# Altium PCB PCB_3U_DDS.PcbDoc (part 4 of 12) (continued)
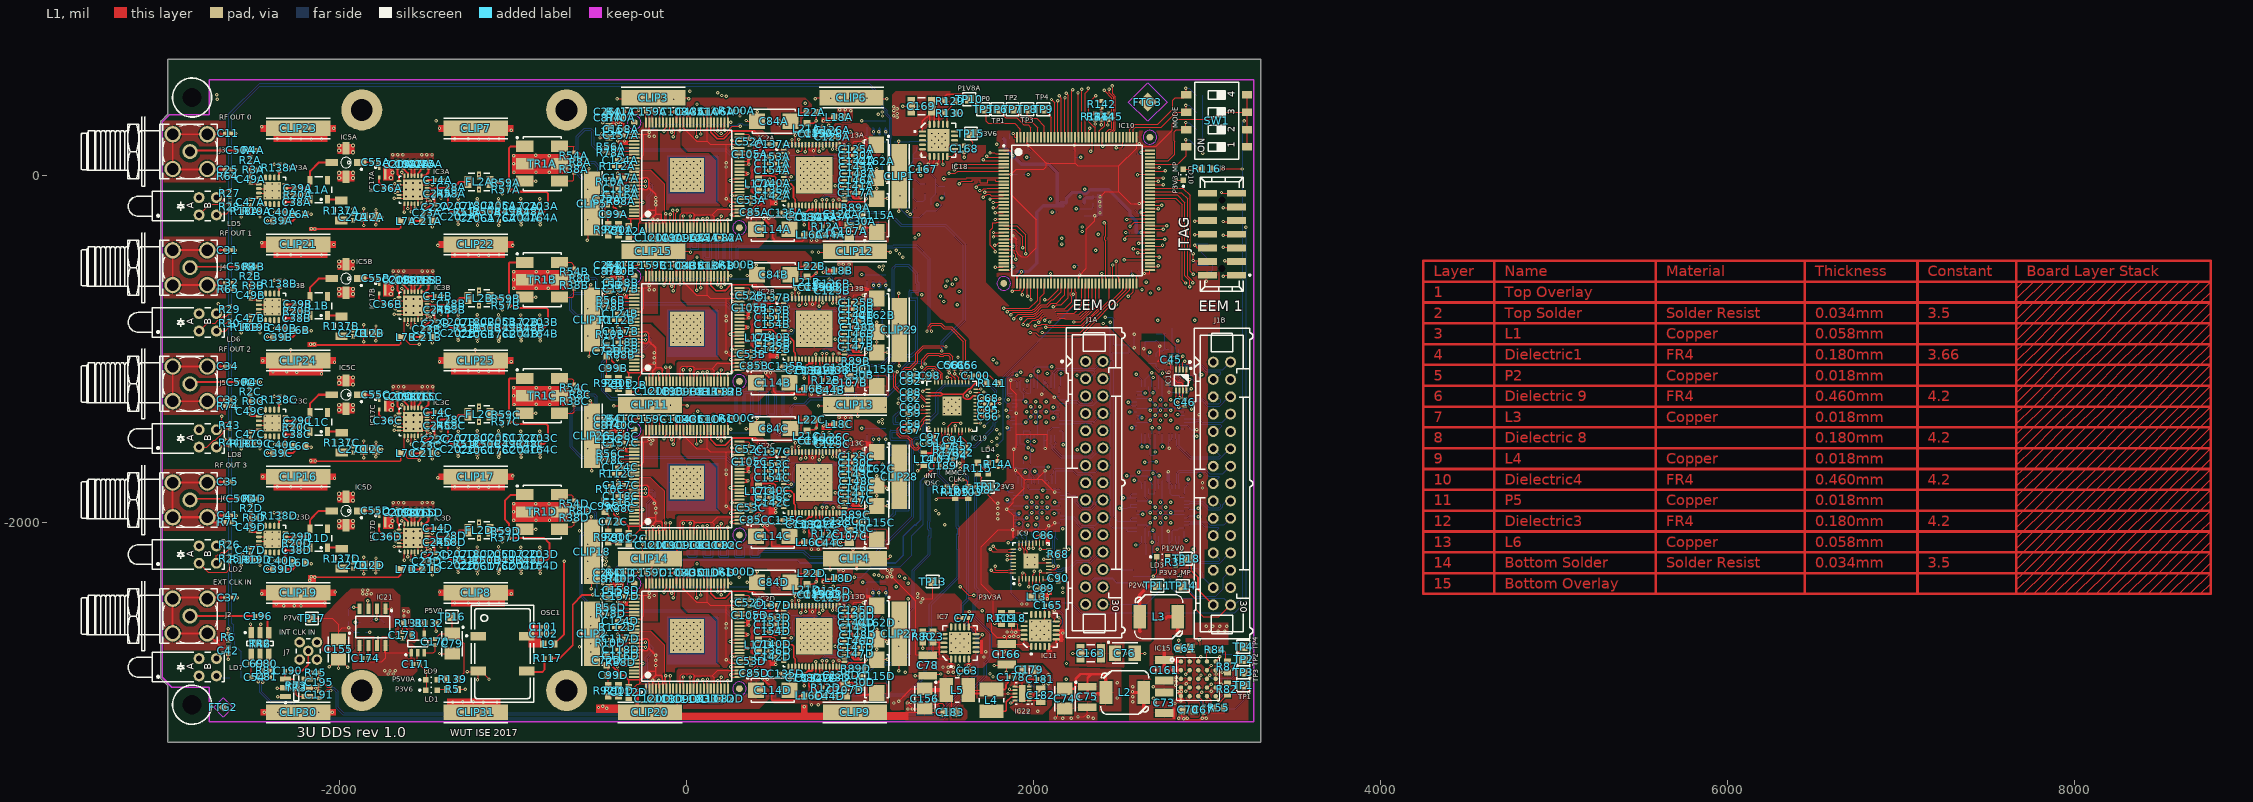
[diagram p0: L1 view]
## Nets (pads, with @x,y where several pads share a name; then routed paths per layer and width w, separated by ;. In a path a pad name is that pad's centre, name@x,y a point inside that pad or via, vN(x,y) a via of type N, cw(c..) or ccw(c..) an arc to the next point about the centre after c; other vN are vias at no path point) (continued)
  L6 w6: v1(780.07,-1028.09) 786.91,-1021.25 786.91,-1003.94 796.76,-994.09 913.52,-994.09 996.03,-1076.6 996.03,-1077.62 1007.06,-1088.65 1117.47,-1088.65 1183.51,-1022.61 1183.51,-534.61 1200.03,-518.1 1203.54,-514.58 1279.58,-514.58 1330.9,-565.9 1330.9,-617.08 1333.9,-617.08 cw(c1333.9,-623.08) 1339.9,-623.08 1339.9,-668.45 cw(c1333.9,-668.45) 1333.9,-674.45 1292.98,-674.45 1292.98,-707.82 1324.9,-707.82 cw(c1324.9,-713.82) 1330.9,-713.82 1330.9,-1013.78 1299.21,-1045.46 1235.63,-1045.46 1161.42,-1119.68 1161.42,-1151.57 1171.26,-1161.42 1181.1,-1161.42 1193.86,-1148.66 1193.86,-1141.61 v1(1186.08,-1133.83)
DDS_CLKA2_N: C60.1 IC13C.28 R12C.2 | length 2377.8
  L1 w6: v1@802.76,-1919.24 IC13C.28@802.76,-1946.85 802.76,-1974.46 798.91,-1978.3 798.91,-2004.04 806.2,-2011.32 806.2,-2055.51 R12C.2@818.7,-2068.02 ; v1(1245.64,-1314.83) 1237.86,-1322.61 1237.86,-1339.43 1246.86,-1348.43 1261.91,-1348.43 C60.1@1273.62,-1336.72
  L6 w6: v1(805.76,-1913.92) 798.91,-1907.08 798.91,-1894.73 801.65,-1892 908.63,-1892 984.03,-1967.4 984.03,-1968.42 1002.09,-1986.48 1003.11,-1986.48 1010.16,-1993.53 1163.2,-1993.53 1199.43,-1957.3 1202.94,-1953.79 1202.94,-1935.24 1275.12,-1935.24 ccw(c1275.12,-1929.24) 1281.12,-1929.24 1281.12,-1883.87 ccw(c1275.12,-1883.87) 1275.12,-1877.87 1193.25,-1877.87 1193.25,-1844.5 1275.12,-1844.5 ccw(c1275.12,-1838.5) 1281.12,-1838.5 1281.12,-1793.13 ccw(c1275.12,-1793.13) 1275.12,-1787.13 1202.94,-1787.13 1202.94,-1753.76 1275.12,-1753.76 ccw(c1275.12,-1747.76) 1281.12,-1747.76 1281.12,-1702.39 ccw(c1275.12,-1702.39) 1275.12,-1696.39 1170.22,-1696.39 1170.22,-1663.02 1275.12,-1663.02 ccw(c1275.12,-1657.02) 1281.12,-1657.02 1281.12,-1611.65 ccw(c1275.12,-1611.65) 1275.12,-1605.65 1183.83,-1605.65 1183.83,-1572.28 1275.12,-1572.28 ccw(c1275.12,-1566.28) 1281.12,-1566.28 1281.12,-1520.91 ccw(c1275.12,-1520.91) 1275.12,-1514.91 1183.61,-1514.91 1183.61,-1481.54 1242.67,-1481.54 ccw(c1242.67,-1475.54) 1248.67,-1475.54 1248.67,-1430.17 ccw(c1242.67,-1430.17) 1242.67,-1424.17 1202.94,-1424.17 1202.94,-1395.74 1245.64,-1353.05 v1(1245.64,-1314.83)
DDS_CLKA2_P: C59.1 IC13C.27 R12C.1 | length 2408.9
  L1 w6: v1@779.56,-1913.41 v1(780.07,-1913.92) 783.07,-1916.92 IC13C.27@783.07,-1946.85 783.07,-1974.46 786.91,-1978.3 786.91,-2009.01 794.2,-2016.29 794.2,-2055.51 R12C.1@781.69,-2068.02 ; v1(1218.08,-1314.83) 1225.86,-1322.61 1225.86,-1344.4 1241.51,-1360.06 1241.51,-1360.43 1261.91,-1360.43 C59.1@1273.62,-1372.15
  L6 w6: v1(780.07,-1913.92) 786.91,-1907.08 786.91,-1889.76 796.68,-1880 913.6,-1880 996.03,-1962.43 996.03,-1963.45 1007.06,-1974.48 1008.08,-1974.48 1015.13,-1981.53 1158.23,-1981.53 1190.94,-1948.82 1190.94,-1929.24 cw(c1196.94,-1929.24) 1196.94,-1923.24 1269.12,-1923.24 1269.12,-1889.87 1187.25,-1889.87 cw(c1187.25,-1883.87) 1181.25,-1883.87 1181.25,-1838.5 cw(c1187.25,-1838.5) 1187.25,-1832.5 1269.12,-1832.5 1269.12,-1799.13 1196.94,-1799.13 cw(c1196.94,-1793.13) 1190.94,-1793.13 1190.94,-1747.76 cw(c1196.94,-1747.76) 1196.94,-1741.76 1269.12,-1741.76 1269.12,-1708.39 1164.22,-1708.39 cw(c1164.22,-1702.39) 1158.22,-1702.39 1158.22,-1657.02 cw(c1164.22,-1657.02) 1164.22,-1651.02 1269.12,-1651.02 1269.12,-1617.65 1177.83,-1617.65 cw(c1177.83,-1611.65) 1171.83,-1611.65 1171.83,-1566.28 cw(c1177.83,-1566.28) 1177.83,-1560.28 1269.12,-1560.28 1269.12,-1526.91 1177.61,-1526.91 cw(c1177.61,-1520.91) 1171.61,-1520.91 1171.61,-1475.54 cw(c1177.61,-1475.54) 1177.61,-1469.54 1236.67,-1469.54 1236.67,-1436.17 1196.94,-1436.17 cw(c1196.94,-1430.17) 1190.94,-1430.17 1190.94,-1390.77 1230.37,-1351.34 1230.37,-1327.12 v1(1218.08,-1314.83)
DDS_CLKA3_N: C58.1 IC13D.28 R12D.2 | length 2387.4
  L1 w6: v1@802.76,-2805.07 IC13D.28@802.76,-2832.68 802.76,-2866.8 806.2,-2870.24 806.2,-2941.34 R12D.2@818.7,-2953.84 ; C58.1@1273.62,-1435.14 1250.54,-1435.14 1238.83,-1446.86 1228.54,-1446.86 1212.51,-1462.89 1212.51,-1496.55 1229.54,-1513.58 1269.51,-1513.58 1287.51,-1531.58 1287.51,-1560.55 1309.54,-1582.58 1332.48,-1582.58 1354.52,-1560.55 v1(1354.52,-1550.42)
  L6 w6: v1(805.76,-2799.75) 798.91,-2792.91 798.91,-2780.56 801.73,-2777.75 908.55,-2777.75 984.03,-2853.23 984.03,-2854.25 991.06,-2861.28 992.45,-2861.28 1002.5,-2871.32 1043.29,-2871.32 1093.29,-2821.32 1231.08,-2821.32 1291.53,-2760.88 1291.53,-2517.53 1311.21,-2497.84 1311.21,-2281.31 1400.34,-2192.18 1400.34,-2091.77 1403.34,-2091.77 ccw(c1403.34,-2085.77) 1409.34,-2085.77 1409.34,-2040.4 ccw(c1403.34,-2040.4) 1403.34,-2034.4 1400.34,-2034.4 1400.34,-2001.34 1403.86,-1997.83 1403.86,-1789.76 1421.87,-1771.74 1421.87,-1706.82 1403.86,-1688.8 1403.86,-1646.58 1347.51,-1590.24 1347.51,-1557.42 v1(1354.52,-1550.42)
DDS_CLKA3_P: C57.1 IC13D.27 R12D.1 | length 2333
  L1 w6: R12D.1@781.69,-2953.84 794.2,-2941.34 794.2,-2875.21 790.76,-2871.77 790.76,-2866.6 780.4,-2856.24 780.4,-2835.35 IC13D.27@783.07,-2832.68 v1@783.07,-2802.75 ; C57.1@1273.62,-1470.57 1250.54,-1470.57 1238.83,-1458.86 1233.51,-1458.86 1224.51,-1467.86 1224.51,-1491.58 1234.51,-1501.58 1274.48,-1501.58 1299.51,-1526.61 1299.51,-1555.58 1314.51,-1570.58 1327.51,-1570.58 1335.67,-1562.42 v1@1327.51,-1554.26
  L6 w6: v1(780.07,-2799.75) 786.91,-2792.91 786.91,-2775.59 796.76,-2765.75 913.52,-2765.75 996.03,-2848.26 996.03,-2849.28 997.42,-2849.28 1007.47,-2859.32 1038.31,-2859.32 1088.31,-2809.32 1226.11,-2809.32 1279.53,-2755.91 1279.53,-2512.56 1299.21,-2492.87 1299.21,-2276.34 1388.34,-2187.21 1388.34,-2085.77 cw(c1394.34,-2085.77) 1394.34,-2079.77 1397.34,-2079.77 1397.34,-2046.4 1394.34,-2046.4 cw(c1394.34,-2040.4) 1388.34,-2040.4 1388.34,-1996.37 1391.86,-1992.86 1391.86,-1784.79 1409.87,-1766.77 1409.87,-1711.79 1391.86,-1693.77 1391.86,-1651.55 1335.51,-1595.21 1335.51,-1556.58 v1(1328.51,-1549.58)
DDS_CLKB0_N: C66.1 IC2A.91 R10A.2 | length 4087.6
  L1 w6: R10A.2@-442.91,-67.82 -419.83,-67.82 -419.02,-67.01 -419.02,-63.32 -410.91,-55.21 -347.39,-55.21 -343.55,-59.06 IC2A.91@-303.15,-59.06 v1@-242.13,-59.06 ; v1(1384.51,-899.58) 1391.51,-892.58 1391.51,-872.61 1409.54,-854.58 1466.48,-854.58 1485.73,-873.83 1525.76,-873.83 1606.51,-954.58 1606.51,-1067.24 C66.1@1618.11,-1078.84
  L6 w6: v1(-238.19,-62.99) -230.41,-55.21 -222.13,-55.21 -208.76,-68.58 -208.76,-102.56 -228.54,-122.34 -228.54,-322 -132.92,-417.61 -86.78,-417.61 -83.27,-414.1 -83.27,-393.03 -57.27,-393.03 -57.27,-497.21 -53.75,-500.73 -10.78,-500.73 -7.27,-497.21 -7.27,-371.72 18.73,-371.72 18.73,-423.27 22.25,-426.79 65.22,-426.79 68.73,-423.27 68.73,-371.72 94.73,-371.72 94.73,-482.79 98.25,-486.31 141.22,-486.31 144.73,-482.79 144.73,-371.72 170.73,-371.72 170.73,-497.21 174.25,-500.73 217.22,-500.73 220.73,-497.21 220.73,-371.72 246.73,-371.72 246.73,-496.97 250.25,-500.48 293.22,-500.48 296.73,-496.97 296.73,-417.61 1195.13,-417.61 1198.5,-414.24 1319.76,-414.24 1391.86,-486.35 1391.86,-891.59 1384.51,-898.94 v1(1384.51,-899.58)
DDS_CLKB0_P: C65.1 IC2A.90 R10A.1 | length 4067.6
  L1 w6: R10A.1@-442.91,-30.81 -419.83,-30.81 -407.43,-43.21 -347.39,-43.21 -343.55,-39.37 IC2A.90@-303.15,-39.37 v1@-242.13,-39.37 ; v1(1410.51,-899.58) 1403.51,-892.58 1403.51,-877.58 1414.51,-866.58 1461.51,-866.58 1480.76,-885.83 1520.79,-885.83 1594.51,-959.55 1594.51,-1067.01 C65.1@1582.68,-1078.84
  L6 w6: v1(-238.19,-35.43) -232.89,-40.73 -230.41,-43.21 -213.14,-43.21 -196.76,-59.6 -196.76,-107.53 -216.54,-127.31 -216.54,-317.03 -127.95,-405.61 -95.27,-405.61 -95.27,-384.54 -91.75,-381.03 -48.78,-381.03 -45.27,-384.54 -45.27,-488.73 -19.27,-488.73 -19.27,-363.23 -15.75,-359.72 27.22,-359.72 30.73,-363.23 30.73,-414.79 56.73,-414.79 56.73,-363.23 60.25,-359.72 103.22,-359.72 106.73,-363.23 106.73,-474.31 132.73,-474.31 132.73,-363.23 136.25,-359.72 179.22,-359.72 182.73,-363.23 182.73,-488.73 208.73,-488.73 208.73,-363.23 212.25,-359.72 255.22,-359.72 258.73,-363.23 258.73,-488.48 284.73,-488.48 284.73,-409.13 288.25,-405.61 1190.16,-405.61 1193.53,-402.24 1324.73,-402.24 1403.86,-481.38 1403.86,-892.93 v1(1410.51,-899.58)
DDS_CLKB1_N: C61.1 IC2B.91 R10B.2 | length 4062.8
  L1 w6: R10B.2@-442.91,-935.14 -437.02,-941.04 -347.39,-941.04 -343.55,-944.88 IC2B.91@-303.15,-944.88 -242.13,-944.88 v1(-238.19,-948.82) ; v1(1353.86,-1106.83) 1353.86,-1062.86 1389.13,-1027.58 1457.28,-1027.58 1461.12,-1031.43 1475.9,-1031.43 1479.74,-1027.58 1511.32,-1027.58 1531.59,-1047.86 1531.59,-1067.13 C61.1@1543.31,-1078.84
  L6 w6: v1(-238.19,-948.82) -230.41,-941.04 -226.38,-941.04 -216.54,-950.88 -216.54,-963.66 -240.94,-988.07 -249.97,-988.07 -253.49,-991.58 -283.49,-1021.58 -435.46,-1021.58 -486.97,-1073.1 -490.49,-1076.61 -490.49,-1243.55 -486.97,-1247.07 -440.44,-1293.6 239.22,-1293.6 ccw(c239.22,-1287.6) 245.22,-1287.6 245.22,-1257.54 278.59,-1257.54 278.59,-1380.55 ccw(c284.59,-1380.55) 284.59,-1386.55 329.96,-1386.55 ccw(c329.96,-1380.55) 335.96,-1380.55 335.96,-1257.54 369.33,-1257.54 369.33,-1377.48 ccw(c375.33,-1377.48) 375.33,-1383.48 420.7,-1383.48 ccw(c420.7,-1377.48) 426.7,-1377.48 426.7,-1257.54 460.07,-1257.54 460.07,-1380.55 ccw(c466.07,-1380.55) 466.07,-1386.55 511.44,-1386.55 ccw(c511.44,-1380.55) 517.44,-1380.55 517.44,-1257.54 550.81,-1257.54 550.81,-1380.55 ccw(c556.81,-1380.55) 556.81,-1386.55 602.18,-1386.55 ccw(c602.18,-1380.55) 608.18,-1380.55 608.18,-1340.82 623,-1326 681.97,-1326 714.37,-1293.6 928.2,-1293.6 ccw(c928.2,-1287.6) 934.2,-1287.6 934.2,-1263.3 967.57,-1263.3 967.57,-1287.6 ccw(c973.57,-1287.6) 973.57,-1293.6 1140.06,-1293.6 1251.86,-1181.8 1251.86,-1114.01 1254.72,-1111.15 1254.72,-1110.97 1280.86,-1084.83 1345.86,-1084.83 1353.86,-1092.83 v1(1353.86,-1106.83)
DDS_CLKB1_P: C56.1 IC2B.90 R10B.1 | length 4026
  L1 w6: R10B.1@-442.91,-898.13 -425.69,-915.35 -423.23,-915.35 -409.54,-929.04 -347.39,-929.04 -343.55,-925.2 IC2B.90@-303.15,-925.2 -242.13,-925.2 v1(-238.19,-921.26) ; v1(1374.86,-1088.83) 1367.86,-1081.83 1367.86,-1065.83 1394.1,-1039.58 1452.31,-1039.58 1456.15,-1043.43 1480.87,-1043.43 1484.72,-1039.58 1506.35,-1039.58 1519.59,-1052.83 1519.59,-1067.13 C56.1@1507.87,-1078.84
  L6 w6: v1(-238.19,-921.26) -230.41,-929.04 -221.41,-929.04 -204.54,-945.91 -204.54,-968.63 -235.97,-1000.07 -245,-1000.07 -278.52,-1033.58 -430.49,-1033.58 -478.49,-1081.58 -478.49,-1238.58 -435.47,-1281.6 233.22,-1281.6 233.22,-1251.54 cw(c239.22,-1251.54) 239.22,-1245.54 284.59,-1245.54 cw(c284.59,-1251.54) 290.59,-1251.54 290.59,-1374.55 323.96,-1374.55 323.96,-1251.54 cw(c329.96,-1251.54) 329.96,-1245.54 375.33,-1245.54 cw(c375.33,-1251.54) 381.33,-1251.54 381.33,-1371.48 414.7,-1371.48 414.7,-1251.54 cw(c420.7,-1251.54) 420.7,-1245.54 466.07,-1245.54 cw(c466.07,-1251.54) 472.07,-1251.54 472.07,-1374.55 505.44,-1374.55 505.44,-1251.54 cw(c511.44,-1251.54) 511.44,-1245.54 556.81,-1245.54 cw(c556.81,-1251.54) 562.81,-1251.54 562.81,-1374.55 596.18,-1374.55 596.18,-1335.85 618.03,-1314 677,-1314 709.4,-1281.6 921.83,-1281.6 922.2,-1281.23 922.2,-1257.3 cw(c928.2,-1257.3) 928.2,-1251.3 973.57,-1251.3 cw(c973.57,-1257.3) 979.57,-1257.3 979.57,-1281.6 1135.09,-1281.6 1239.86,-1176.83 1239.86,-1109.04 1242.72,-1106.18 1242.72,-1106 1275.89,-1072.83 1350.83,-1072.83 1366.83,-1088.83 v1(1374.86,-1088.83)
DDS_CLKB2_N: C71.1 IC2C.91 R10C.2 | length 4089.7
  L1 w6: R10C.2@-442.91,-1829.53 -430.41,-1817.02 -424.8,-1817.02 -414.96,-1826.87 -347.39,-1826.87 -343.55,-1830.71 IC2C.91@-303.15,-1830.71 -238.19,-1830.71 v1@-237.16,-1830.71 ; C71.1@1753.94,-1320.97 1777.02,-1320.97 1788.73,-1309.25 1800.51,-1309.25 1803.51,-1312.25 v1(1803.51,-1316.58)
  L6 w6: v1(-238.19,-1834.65) -230.41,-1826.87 -202.13,-1826.87 -193.13,-1835.87 -193.13,-1853.79 -201.13,-1861.79 -229.89,-1890.55 -229.89,-2104.86 -225.02,-2109.73 -165.04,-2169.7 -161.53,-2173.22 -36.37,-2173.22 ccw(c-36.37,-2167.22) -30.37,-2167.22 -30.37,-2143.37 3,-2143.37 3,-2195.32 ccw(c9,-2195.32) 9,-2201.32 54.37,-2201.32 ccw(c54.37,-2195.32) 60.37,-2195.32 60.37,-2143.37 93.74,-2143.37 93.74,-2196.91 ccw(c99.74,-2196.91) 99.74,-2202.91 145.11,-2202.91 ccw(c145.11,-2196.91) 151.11,-2196.91 151.11,-2143.37 184.48,-2143.37 184.48,-2196.91 ccw(c190.48,-2196.91) 190.48,-2202.91 235.85,-2202.91 ccw(c235.85,-2196.91) 241.85,-2196.91 241.85,-2143.37 275.22,-2143.37 275.22,-2196.91 ccw(c281.22,-2196.91) 281.22,-2202.91 326.59,-2202.91 ccw(c326.59,-2196.91) 332.59,-2196.91 332.59,-2143.37 365.96,-2143.37 365.96,-2196.91 ccw(c371.96,-2196.91) 371.96,-2202.91 417.33,-2202.91 ccw(c417.33,-2196.91) 423.33,-2196.91 423.33,-2173.22 669.31,-2173.22 705.04,-2208.95 1066.19,-2208.95 1160.87,-2114.28 1165.84,-2114.28 1308.87,-1971.24 1308.87,-1549.81 1310.19,-1548.49 1309.67,-1547.97 1309.67,-1533.19 1320.12,-1522.74 1334.9,-1522.74 1335.42,-1523.26 1376.03,-1482.65 1376.03,-1443.62 1447.86,-1371.8 1447.86,-1257.83 1490.95,-1214.73 1741.66,-1214.73 1774.14,-1247.21 1774.14,-1308.21 1782.51,-1316.58 v1(1803.51,-1316.58)
DDS_CLKB2_P: C68.1 IC2C.90 R10C.1 | length 4091.3
  L1 w6: R10C.1@-442.91,-1792.52 -430.41,-1805.02 -414.86,-1805.02 -405.01,-1814.87 -347.39,-1814.87 -343.55,-1811.02 IC2C.90@-303.15,-1811.02 -242.13,-1811.02 v1(-238.19,-1807.09) ; C68.1@1753.94,-1285.54 1777.02,-1285.54 1788.73,-1297.25 1800.51,-1297.25 1803.51,-1294.25 v1(1803.51,-1289.58)
  L6 w6: v1(-238.19,-1807.09) -230.41,-1814.87 -197.16,-1814.87 -181.13,-1830.9 -181.13,-1858.76 -217.89,-1895.52 -217.89,-2099.88 -156.56,-2161.22 -42.37,-2161.22 -42.37,-2137.37 cw(c-36.37,-2137.37) -36.37,-2131.37 9,-2131.37 cw(c9,-2137.37) 15,-2137.37 15,-2189.32 48.37,-2189.32 48.37,-2137.37 cw(c54.37,-2137.37) 54.37,-2131.37 99.74,-2131.37 cw(c99.74,-2137.37) 105.74,-2137.37 105.74,-2190.91 139.11,-2190.91 139.11,-2137.37 cw(c145.11,-2137.37) 145.11,-2131.37 190.48,-2131.37 cw(c190.48,-2137.37) 196.48,-2137.37 196.48,-2190.91 229.85,-2190.91 229.85,-2137.37 cw(c235.85,-2137.37) 235.85,-2131.37 281.22,-2131.37 cw(c281.22,-2137.37) 287.22,-2137.37 287.22,-2190.91 320.59,-2190.91 320.59,-2137.37 cw(c326.59,-2137.37) 326.59,-2131.37 371.96,-2131.37 cw(c371.96,-2137.37) 377.96,-2137.37 377.96,-2190.91 411.33,-2190.91 411.33,-2167.22 cw(c417.33,-2167.22) 417.33,-2161.22 674.28,-2161.22 710.01,-2196.95 1061.22,-2196.95 1155.9,-2102.28 1160.87,-2102.28 1296.87,-1966.27 1296.87,-1544.84 1297.67,-1544.05 1297.67,-1528.22 1315.15,-1510.74 1330.97,-1510.74 1364.03,-1477.68 1364.03,-1438.65 1435.86,-1366.83 1435.86,-1252.86 1475.89,-1212.83 1485.98,-1202.73 1746.63,-1202.73 1760.48,-1216.58 1783.51,-1239.58 1786.14,-1242.24 1786.14,-1299.21 1788.51,-1301.58 1791.86,-1301.58 1803.51,-1289.94 v1(1803.51,-1289.58)
DDS_CLKB3_N: C96.1 IC2D.91 R10D.2 | length 4116.3
  L1 w6: R10D.2@-442.91,-2715.35 -440.35,-2712.8 -400.13,-2712.8 ; -400.13,-2712.69 -347.39,-2712.69 -343.55,-2716.54 IC2D.91@-303.15,-2716.54 -242.13,-2716.54 v1@-238.61,-2720.05 ; C96.1@1753.94,-1391.83 1756.19,-1389.58 1769.35,-1402.74 1780.26,-1391.83 1792.26,-1391.83 1795.51,-1388.58 v1(1797.51,-1388.58)
  L6 w6: v1(-238.19,-2720.47) -230.41,-2712.69 -222.45,-2712.69 -206.69,-2728.45 -206.69,-2748.13 -238.38,-2779.82 -238.38,-2804.98 -236.2,-2807.16 -236.2,-2822.76 -238.38,-2824.94 -238.38,-2959.8 -196.33,-3001.84 583.22,-3001.84 601.48,-2983.58 889.84,-2983.58 908.1,-3001.84 1267.81,-3001.84 1379.86,-2889.8 1379.86,-2792.06 1410.77,-2761.15 1410.77,-2477.92 1563.78,-2324.91 1569.61,-2319.08 1569.61,-2155.1 1563.78,-2149.27 1563.6,-2149.1 1563.6,-2081.93 1566.6,-2081.93 ccw(c1566.6,-2075.93) 1572.6,-2075.93 1572.6,-2030.56 ccw(c1566.6,-2030.56) 1566.6,-2024.56 1563.6,-2024.56 1563.6,-1832.6 1458.86,-1727.86 1458.86,-1607.83 1498.86,-1567.83 1664.83,-1567.83 1768.18,-1464.48 1768.18,-1458.74 1779.21,-1447.71 1779.21,-1427.89 1788.51,-1418.58 1788.51,-1393.58
DDS_CLKB3_P: C95.1 IC2D.90 R10D.1 | length 4123.8
  L1 w6: R10D.1@-442.91,-2678.35 -434.25,-2687.01 -423.23,-2687.01 -409.54,-2700.69 -347.39,-2700.69 -343.55,-2696.85 IC2D.90@-303.15,-2696.85 v1@-242.13,-2696.85 ; C95.1@1753.94,-1356.4 1775.33,-1356.4 1781.67,-1362.74 1792.51,-1362.74 v1(1792.51,-1362.58)
  L6 w6: v1(-238.19,-2692.91) -230.41,-2700.69 -217.48,-2700.69 -198.21,-2719.96 -194.69,-2723.48 -194.69,-2753.1 -198.21,-2756.62 -226.38,-2784.79 -226.38,-2800.01 -224.2,-2802.19 -224.2,-2827.73 -226.38,-2829.91 -226.38,-2954.83 -191.36,-2989.84 578.25,-2989.84 596.51,-2971.58 894.81,-2971.58 913.07,-2989.84 1262.84,-2989.84 1367.86,-2884.83 1367.86,-2787.09 1398.77,-2756.18 1398.77,-2472.95 1557.61,-2314.11 1557.61,-2160.07 1555.12,-2157.58 1551.6,-2154.07 1551.6,-2075.93 cw(c1557.6,-2075.93) 1557.6,-2069.93 1560.6,-2069.93 1560.6,-2036.56 1557.6,-2036.56 cw(c1557.6,-2030.56) 1551.6,-2030.56 1551.6,-1837.57 1446.86,-1732.83 1446.86,-1602.86 1493.89,-1555.83 1659.86,-1555.83 1756.18,-1459.51 1756.18,-1453.77 1767.21,-1442.74 1767.21,-1422.92 1774.24,-1415.89 1774.24,-1381.4 1774.14,-1381.31 1778.71,-1376.74 1780.35,-1376.74 1792.51,-1364.58 v1(1792.51,-1362.58)
DDS_CSN0: IC2A.70 IC10.119 IC13A.61 | length 2939.5
  L1 w5: IC2A.70@-137.8,303.15 -137.8,354.23 v1(-133.86,358.17) ; IC13A.61@645.28,175.2 645.28,207.18 v1(645.67,207.57) ; IC10.119@2395.67,218.4 2395.86,218.21 v1@2395.86,167.32
  L4 w5: v1(-133.86,358.17) -133.86,337.5 -106.3,309.94 203.74,309.94 250.83,262.85 316.45,262.85 322.2,268.6 513.81,268.6 521.72,260.69 546,260.69 553.91,268.6 640.75,268.6 645.67,263.68 v1(645.67,207.57) 657.26,207.57 705.84,256.16 765.34,256.16 769.35,252.15 829.13,252.15 842.91,265.92 842.91,270.53 866.51,294.13 871.12,294.13 890.24,313.25 969.06,313.25 975.12,307.18 987.54,307.18 1000.16,294.56 1017.65,294.56 1036.33,313.25 1110.44,313.25 1120.55,303.14 1367.41,303.14 1367.95,303.68 1578.39,303.68 1578.92,303.14 1588.18,303.14 1732.48,158.84 1794.6,158.84 1800.61,152.83 1976.1,152.83 1988.71,140.21 2214.04,140.21 2226.66,152.83 2241.84,152.83 2256.12,167.11 2340.49,167.11 2341.41,166.18 2396.1,166.18 v1(2397.24,167.32)
DDS_CSN1: IC2B.70 IC10.5 IC13B.61 | length 2909.4
  L1 w5: IC2B.70@-137.8,-582.68 -137.8,-531.6 v1(-133.86,-527.66) ; IC13B.61@645.28,-710.63 645.28,-678.65 v1(645.67,-678.25) ; v1(1550.79,59.06) 1554.62,62.89 IC10.5@1826.77,62.89
  L3 w5: v1(1550.79,-600.39) 1551.93,-599.25 1551.93,-529.09 1551.93,14.59 1559.27,21.94 1559.27,50.57 v1(1550.79,59.06)
  L4 w5: v1(-133.86,-527.66) -133.86,-548.33 -106.3,-575.89 203.74,-575.89 245.08,-617.23 640.75,-617.23 645.67,-622.15 v1(645.67,-678.25) 664.35,-678.25 722.23,-620.38 754.73,-620.38 804.9,-570.2 843.26,-570.2 847.58,-565.87 974.77,-565.87 1000.16,-591.26 1015.34,-591.26 1036.73,-569.87 1529.91,-569.87 1550.79,-590.76 v1(1550.79,-600.39)
DDS_CSN2: IC2C.70 IC10.16 IC13C.61 | length 3638.5
  L1 w5: IC2C.70@-137.8,-1468.5 -137.8,-1417.43 v1(-133.86,-1413.49) ; IC13C.61@645.28,-1596.46 645.28,-1564.47 v1(645.67,-1564.08) ; v1(1767.32,-157.48) 1822.94,-157.48 IC10.16@1826.77,-153.65
  L3 w5: v1(1767.32,-157.48) 1734.74,-190.06 1734.74,-1095.16 1760.93,-1121.34 1760.93,-1181.81 1760.08,-1182.65 1760.08,-1215 1770.93,-1225.84 1770.93,-1274.16 1760.17,-1284.92 1760.17,-1420.49 1787.01,-1447.33 v1(1787.01,-1466.53)
  L4 w5: v1(-133.86,-1413.49) -133.86,-1434.16 -106.3,-1461.72 203.74,-1461.72 245.08,-1503.06 640.75,-1503.06 645.67,-1507.98 v1(645.67,-1564.08) 693.35,-1564.08 761.9,-1495.53 761.9,-1479.13 776.36,-1464.67 798.23,-1464.67 807.92,-1454.98 817.82,-1454.98 819.95,-1452.84 958.87,-1452.84 986.87,-1480.84 1030.77,-1480.84 1050.76,-1460.86 1312.4,-1460.86 1330.99,-1479.45 1456.16,-1479.45 1477.09,-1458.53 1522.55,-1458.53 1527.86,-1463.84 1580.51,-1463.84 1593.77,-1450.58 1660.51,-1450.58 1676.46,-1466.53 v1(1787.01,-1466.53)
DDS_CSN3: IC2D.70 IC10.24 IC13D.61 | length 4460.3
  L1 w5: IC2D.70@-137.8,-2354.33 -137.8,-2303.25 v1(-133.86,-2299.32) ; IC13D.61@645.28,-2482.28 645.28,-2450.3 v1(645.67,-2449.91) ; IC10.24@1826.77,-311.13 1891.44,-311.13 1935.99,-355.68 v1(1935.99,-419.39)
  L3 w5: v1(1225.98,-2312.99) 1222.58,-2309.59 1222.58,-2274.99 1236.38,-2261.19 1236.38,-1515.75 1291.2,-1460.93 1291.2,-1397.64 1275.2,-1381.64 1275.2,-521.65 1244.31,-490.77 1238.08,-490.77 1227.34,-480.03 1227.34,-454.11 v1(1225.98,-452.76)
  L4 w5: v1(-133.86,-2299.32) -133.86,-2319.98 -106.3,-2347.54 203.74,-2347.54 245.08,-2388.88 640.75,-2388.88 645.67,-2393.8 v1(645.67,-2449.91) 670.78,-2449.91 671.04,-2449.65 807.62,-2449.65 807.88,-2449.91 812.01,-2449.91 893.7,-2368.21 990.72,-2368.21 992.67,-2370.17 1032.49,-2370.17 1056.1,-2346.56 1174.58,-2346.56 1189.61,-2331.53 1207.45,-2331.53 v1(1225.98,-2312.99) ; v1(1225.98,-452.76) 1227.16,-451.58 1764.06,-451.58 1770.82,-458.34 1838.39,-458.34 1863.45,-433.29 1863.6,-433.29 1868.19,-437.88 1891.65,-437.88 1896.24,-433.29 1922.1,-433.29 v1(1935.99,-419.39)
DDS_I/O_RESET: IC2A.71 IC2B.71 IC2C.71 IC2D.71 IC10.129 | length 5683.8
  L1 w5: IC2D.71@-157.48,-2354.33 -157.48,-2283.57 v1(-153.54,-2279.63) ; IC2C.71@-157.48,-1468.5 -157.48,-1397.74 v1(-153.54,-1393.8) ; IC2B.71@-157.48,-582.68 -157.48,-511.91 v1(-153.54,-507.98) ; IC2A.71@-157.48,303.15 -157.48,373.91 v1(-153.54,377.85) ; v1(2187.86,472.17) 2198.82,461.21 IC10.129@2198.82,218.4
  L3 w5: v1(-153.54,-2279.63) -153.54,-2048.66 -139.15,-2034.27 -139.15,-2030.73 -139.47,-2030.42 -139.47,-2018.77 -153.54,-2004.7 v1(-153.54,-1393.8) -153.54,-1162.83 -139.15,-1148.44 -139.15,-1144.73 -139.47,-1144.42 -139.47,-1132.94 -152.19,-1120.23 -152.19,-507.98 -152.19,-275.65 -139.15,-262.61 -139.15,-247.43 -153.54,-233.04 v1(-153.54,377.85) -153.54,397.54 -126.36,424.72 -126.36,454.25 -96.43,484.17 v1(17.86,484.17)
  L4 w5: v1(17.86,484.17) 28.52,494.84 2165.19,494.84 v1(2187.86,472.17)
DDS_PLL_LOCK0: IC2A.19 IC10.21 | length 1843.2
  L1 w5: IC2A.19@118.11,-303.15 118.11,-248.57 v1(118.54,-248.13) ; v1(1777.17,-255.91) 1781,-252.07 IC10.21@1826.77,-252.07
  L4 w5: v1(118.54,-248.13) 128.55,-248.13 165.77,-210.91 387.22,-210.91 395.85,-219.53 420.94,-219.53 429.57,-210.91 470.24,-210.91 510.63,-251.3 549.61,-251.3 567.59,-233.33 910.44,-233.33 927.54,-250.42 927.54,-253.25 937.7,-263.41 952.07,-263.41 959.41,-256.06 1384.71,-256.06 1401.99,-238.77 1760.03,-238.77 v1(1777.17,-255.91)
DDS_PLL_LOCK1: IC2B.19 IC10.35 | length 2428.5
  L1 w5: IC2B.19@118.11,-1188.98 118.11,-1134.39 v1(118.54,-1133.96) ; v1(1779,-530.16) 1824.27,-530.16 IC10.35@1826.77,-527.66
  L3 w5: v1(1779,-530.16) 1779,-546.58 1786.34,-553.93 v1@1786.34,-1082.01 ; v1@1785.87,-1081.54 v1@1786.34,-1082.01 ; v1(1787.01,-1082.68) v1@1786.34,-1082.01
  L4 w5: v1(118.54,-1133.96) 118.54,-1148.54 142.13,-1172.13 651.87,-1172.13 669.98,-1154.02 671.56,-1154.02 692.76,-1132.83 931.14,-1132.83 947.54,-1149.23 1144.76,-1149.23 1178.49,-1115.5 1217.06,-1115.5 1217.69,-1116.13 1264.79,-1116.13 1326.41,-1054.51 1511.31,-1054.51 1540.32,-1083.52 1786.17,-1083.52 v1(1787.01,-1082.68)
DDS_PLL_LOCK2: IC2C.19 IC10.41 | length 3400
  L1 w5: IC2C.19@118.11,-2074.8 118.11,-2020.22 v1(118.54,-2019.79) ; IC10.41@1982.28,-624.12 1982.28,-691.01 1982.5,-691.23 1982.5,-717.14 v1(1983.86,-718.5)
  L3 w5: v1(1453,-1952) 1467.45,-1937.55 1467.45,-1857.42 1462.2,-1852.17 1462.2,-1414.24 1450.86,-1402.89 1450.86,-1220.13 1473.2,-1197.79 1473.2,-1104.95 1473.84,-1104.32 1473.84,-1095.26 1503.51,-1065.58 1503.51,-1031.42 1525,-1009.93 1525,-963.07 1482.51,-920.58 1482.51,-728.97 v1(1481.89,-728.35)
  L4 w5: v1(118.54,-2019.79) 118.54,-1987.12 175.87,-1929.79 337.87,-1929.79 354.87,-1946.79 401.87,-1946.79 406.87,-1941.79 449.87,-1941.79 479.43,-1971.34 523.54,-1971.34 532.06,-1962.83 912.86,-1962.83 916.86,-1958.83 940.05,-1958.83 972.4,-1991.18 1011.98,-1991.18 1015.65,-1987.51 1417.49,-1987.51 v1(1453,-1952) ; v1(1481.89,-728.35) 1758.33,-728.35 1772.37,-714.31 1869.98,-714.31 1884.02,-728.35 1974.02,-728.35 v1(1983.86,-718.5)
DDS_PLL_LOCK3: IC2D.19 IC10.49 | length 4500.6
  L1 w5: IC2D.19@118.11,-2960.63 118.11,-2906.6 v1(119.09,-2905.61) ; v1(2062.6,-718.5) 2061.02,-716.93 2062.6,-716.93 2084.35,-716.93 2139.76,-661.52 IC10.49@2139.76,-624.12
  L3 w5: v1(1557.87,-748.03) 1557.87,-1031.29 1545.52,-1043.64 1545.52,-1121.49 1560.65,-1136.62 1560.65,-1256.86 1587.69,-1283.9 1587.69,-1296.6 1603.87,-1312.79 1603.87,-1571.79 1612.87,-1580.79 1612.87,-2466.79 1597.87,-2481.79 1597.87,-2575.79 1640.84,-2618.75 1640.84,-2762.82 1635.87,-2767.79 1591.87,-2767.79 1586.87,-2772.79 1586.87,-2861.79 v1(1567.87,-2880.79)
  L4 w5: v1(119.09,-2905.61) 143.37,-2905.61 169.57,-2931.82 184.76,-2931.82 185.74,-2930.83 193.95,-2930.83 227.65,-2897.13 228.1,-2897.58 260.58,-2897.58 270.74,-2887.42 270.74,-2886.15 469.06,-2886.15 477.06,-2894.15 602.45,-2894.15 619.34,-2911.04 912.63,-2911.04 926.33,-2924.74 958.04,-2924.74 989.09,-2893.7 1300.59,-2893.7 1309.75,-2902.86 1324.11,-2902.86 1333.27,-2893.7 1554.96,-2893.7 v1(1567.87,-2880.79) ; v1(1557.87,-748.03) 1558.61,-747.3 1753.53,-747.3 1776.51,-724.31 1865.84,-724.31 1889.56,-748.03 2033.07,-748.03 v1(2062.6,-718.5)
DDS_PROFILE.P0: IC2A.54 IC2B.54 IC2C.54 IC2D.54 IC10.130 | length 5422.3
  L1 w5: v1(177.17,-2402.66) IC2D.54@177.17,-2354.33 ; v1(177.17,-1516.83) IC2C.54@177.17,-1468.5 ; v1(177.17,-631.01) IC2B.54@177.17,-582.68 ; v1(177.17,254.82) IC2A.54@177.17,303.15 ; IC10.130@2179.13,218.4 2179.86,219.13 v1(2179.86,445.17)
  L3 w5: v1(177.17,-2402.66) 177.17,-2244.2 167.44,-2234.48 167.44,-2074.92 136.87,-2044.35 136.87,-1897.75 177.17,-1857.45 v1(177.17,-1516.83) 176.89,-1516.56 176.89,-1244.86 136.87,-1204.84 136.87,-684.79 177.17,-644.5 v1(177.17,-631.01) 177.17,-317.2 136.87,-276.91 136.87,214.52 v1(177.17,254.82) 177.17,473.48 v1(177.86,474.17)
  L4 w5: v1(177.86,474.17) 187.17,483.48 2146.47,483.48 2179.86,450.09 v1(2179.86,445.17)